# Altium PCB master.PcbDoc (part 6 of 10)
Units mm, origin at the board's own origin, x right, y up, seen from the top; angles counter-clockwise.
Board outline 160 x 120 mm, 6 copper layers (Top Signal, Top GND, Inner PWR, Inner Signal, Bottom GND, Bottom Signal), stack 1.601 mm thick; 526 components, 435 nets, 2167 pads, 1617 vias.
Unrouted connection lines stored in the file: 3.
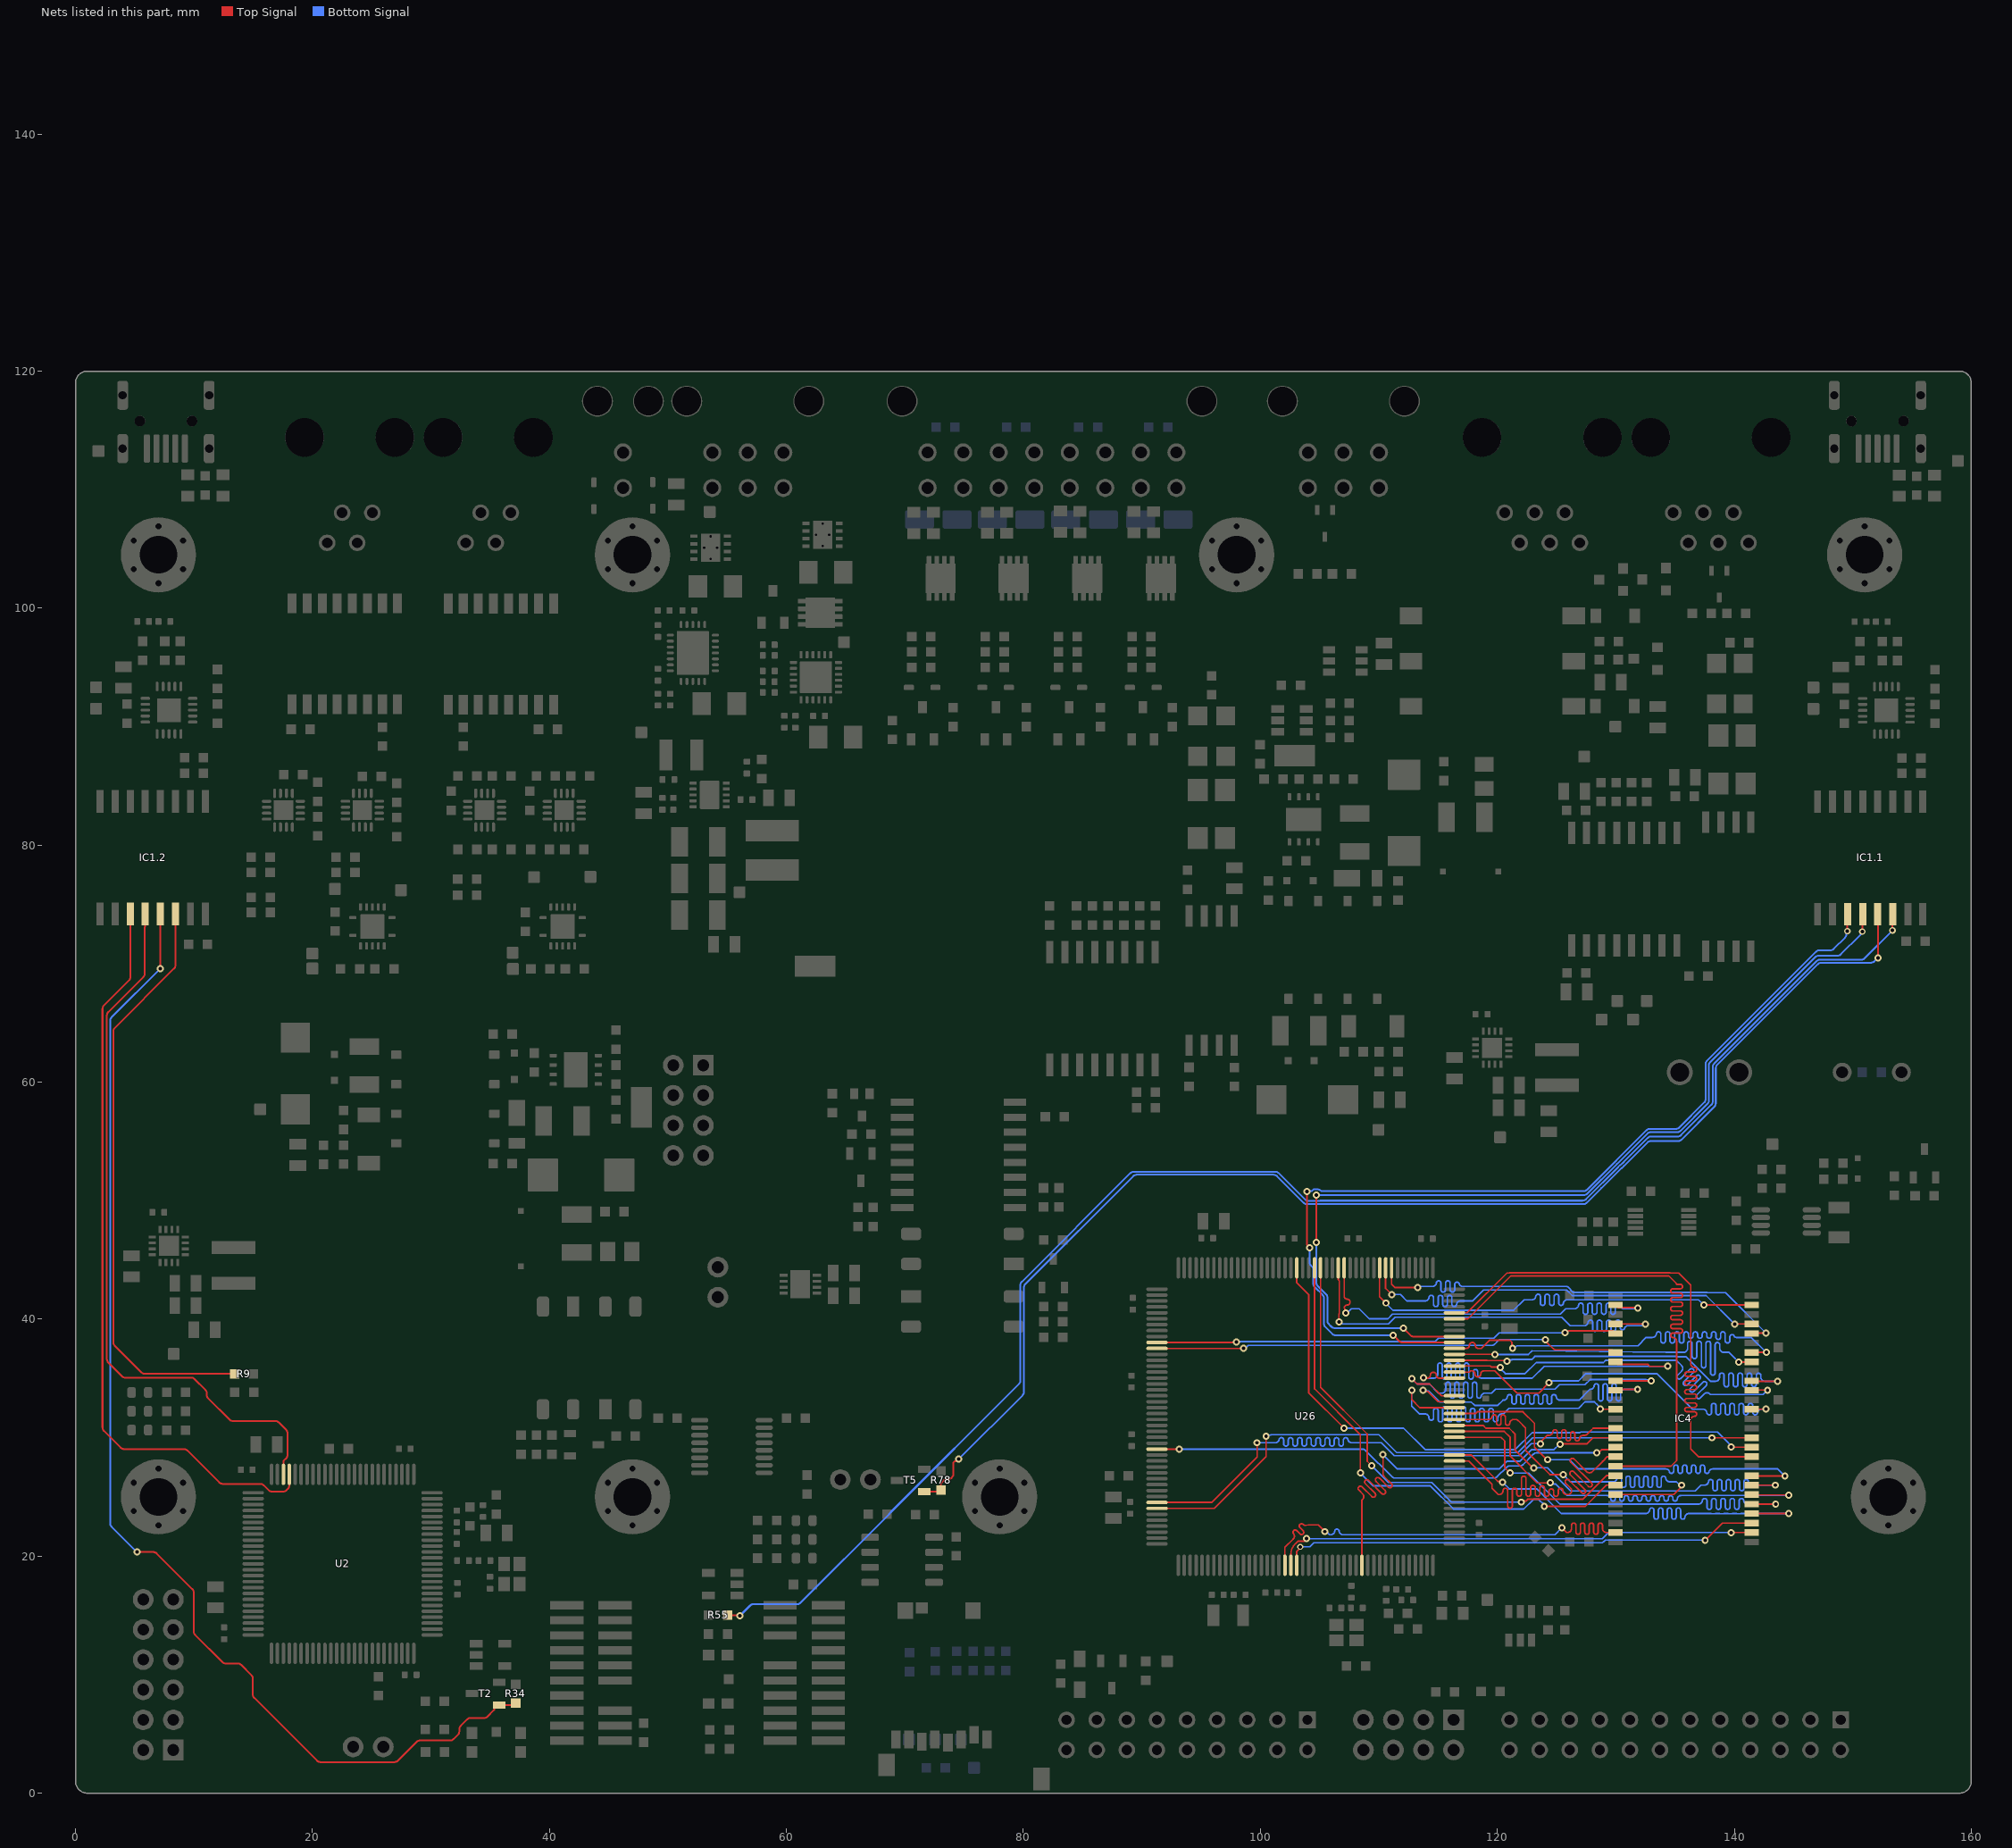
[diagram p10: the nets of this part, all layers, seen from the top]

## Via types
v1: diameter 0.6, hole 0.3, Top Signal to Bottom Signal, 1012 vias
v2: diameter 0.55, hole 0.3, Top Signal to Bottom Signal, 235 vias
v3: diameter 0.45, hole 0.2, Top Signal to Bottom Signal, 178 vias
v4: diameter 0.55, hole 0.3, Top Signal to Bottom Signal, tented both sides, 112 vias
v5: diameter 0.5, hole 0.2, Top Signal to Bottom Signal, 50 vias
v6: diameter 0.45, hole 0.2, Top Signal to Bottom Signal, tented top, 15 vias
v7: diameter 0.5, hole 0.3, Top Signal to Bottom Signal, tented both sides, 12 vias
v8: diameter 0.6, hole 0.3, Top Signal to Bottom Signal, tented both sides, 2 vias
v9: diameter 0.5, hole 0.3, Top Signal to Bottom Signal, 1 vias

## Nets (pads, with @x,y where several pads share a name; then routed paths per layer and width w, separated by ;. In a path a pad name is that pad's centre, name@x,y a point inside that pad or via, vN(x,y) a via of type N, cw(c..) or ccw(c..) an arc to the next point about the centre after c; other vN are vias at no path point) (continued)
FMC_MCU_0_RAM_A3: IC4.26 U26.19 | length 39
  Top Signal w0.134: U26.19@102.072,19.234 102.072,20.747 102.725,21.4 102.772,21.447 102.775,21.45 ccw(c102.538,21.687) 102.812,21.879 102.807,21.886 ; 102.806,21.887 cw(c102.939,22.019) 102.806,22.152 cw(c102.939,22.019) 103.071,22.152 103.341,21.881 ccw(c103.474,22.013) 103.606,21.881 ccw(c103.474,22.013) 103.606,22.146 103.335,22.416 cw(c103.467,22.548) 103.6,22.681 ccw(c103.813,22.939) 103.863,22.607 104.053,22.636 ; 104.053,22.636 cw(c104.104,22.305) 104.104,22.64 104.688,22.64 104.885,22.64 v1(105.45,22.075) ; v1(125.444,22.395) 125.843,21.996 125.856,21.996 125.923,21.996 ccw(c125.923,22.331) 126.258,22.331 126.258,22.607 cw(c126.445,22.607) 126.632,22.607 126.632,22.033 ccw(c126.819,22.033) 127.006,22.033 127.006,22.607 cw(c127.193,22.607) 127.38,22.607 127.38,22.033 ccw(c127.567,22.033) 127.754,22.033 127.754,22.607 cw(c127.941,22.607) 128.128,22.607 128.128,22.033 ccw(c128.315,22.033) 128.502,22.033 128.502,22.607 cw(c128.689,22.607) 128.876,22.607 128.876,22.331 ccw(c129.211,22.331) 129.211,21.996 129.903,21.996 IC4.26@129.966,21.996
  Bottom Signal w0.134: v1(105.45,22.075) 105.576,22.075 105.844,21.807 105.873,21.807 105.944,21.807 ccw(c105.944,22.142) 106.275,22.093 ; 106.275,22.094 cw(c106.462,22.094) 106.649,22.094 ccw(c106.981,22.142) 106.981,21.807 108.474,21.807 108.541,21.807 124.856,21.807 v1(125.444,22.395)
FMC_MCU_0_RAM_A4: IC4.29 U26.20 | length 40.9
  Top Signal w0.134: U26.20@102.573,19.234 102.573,20.166 cw(c103.799,20.166) 102.932,21.034 103.114,21.216 cw(c103.249,21.08) 103.249,21.272 103.695,21.272 ccw(c103.695,21.473) v1(103.897,21.473) ; v1(139.725,21.996) IC4.29@141.466,21.996
  Bottom Signal w0.134: v1(103.897,21.473) 128.864,21.473 129.386,21.996 v1(139.725,21.996)
FMC_MCU_0_RAM_A5: IC4.30 U26.21 | length 40.6
  Top Signal w0.134: U26.21@103.072,19.234 103.072,20.412 v9@103.452,20.792 ; v1(137.528,21.331) 138.993,22.796 IC4.30@141.466,22.796
  Bottom Signal w0.134: v9@103.452,20.792 104.176,20.792 104.524,21.14 128.88,21.14 128.959,21.219 128.969,21.219 129.113,21.363 137.496,21.363 v1(137.528,21.331)
  other v9: 103.363,20.792
FMC_MCU_0_RAM_A6: IC4.31 U26.60 | length 39.4
  Top Signal w0.134: U26.60@116.372,28.534 117.805,28.534 120.02,26.319 120.359,26.319 v1(120.451,26.228) ; IC4.31@141.466,23.596 v1(144.577,23.596)
  Bottom Signal w0.134: v1(120.451,26.228) 120.999,25.679 123.331,25.679 125.414,23.596 132.445,23.596 132.515,23.596 ccw(c132.515,23.931) 132.847,23.882 cw(c133.034,23.883) 133.221,23.883 133.221,23.309 ccw(c133.408,23.309) 133.595,23.309 133.595,23.883 cw(c133.782,23.883) 133.969,23.883 133.969,23.309 ccw(c134.156,23.309) 134.343,23.309 134.343,23.883 cw(c134.53,23.883) 134.717,23.883 134.717,23.309 ccw(c134.904,23.309) 135.091,23.309 135.091,23.883 cw(c135.278,23.883) 135.465,23.883 135.465,23.309 ccw(c135.652,23.309) 135.839,23.309 cw(c136.17,23.261) 136.172,23.596 136.733,23.596 138.027,23.596 138.034,23.589 138.388,23.589 138.395,23.596 138.747,23.596 138.754,23.589 139.108,23.589 139.115,23.596 139.467,23.596 139.474,23.589 139.828,23.589 139.835,23.596 140.187,23.596 140.194,23.589 140.548,23.589 140.555,23.596 140.907,23.596 140.914,23.589 141.268,23.589 141.275,23.596 v1(144.577,23.596)
FMC_MCU_0_RAM_A7: IC4.32 U26.63 | length 39.3
  Top Signal w0.134: U26.63@116.372,30.034 120.302,30.034 120.625,29.711 120.625,27.471 v1(121.079,27.017) ; IC4.32@141.466,24.396 v1(143.482,24.396)
  Bottom Signal w0.134: v1(121.079,27.017) 122.651,27.017 125.273,24.396 136.903,24.396 136.975,24.396 ccw(c136.975,24.731) 137.305,24.674 cw(c137.499,24.674) 137.693,24.674 137.693,24.142 ccw(c137.887,24.142) 138.081,24.142 138.081,24.674 cw(c138.275,24.674) 138.469,24.674 138.469,24.142 ccw(c138.663,24.142) 138.857,24.142 138.857,24.674 cw(c139.051,24.674) 139.245,24.674 139.245,24.142 ccw(c139.439,24.142) 139.633,24.142 139.633,24.674 cw(c139.827,24.674) 140.021,24.674 140.021,24.142 ccw(c140.215,24.142) 140.409,24.142 140.409,24.674 cw(c140.603,24.674) 140.797,24.674 ccw(c141.127,24.731) 141.127,24.396 141.508,24.396 141.575,24.396 v1(143.482,24.396)
FMC_MCU_0_RAM_A8: IC4.33 U26.64 | length 39.2
  Top Signal w0.134: U26.64@116.372,30.534 120.578,30.534 121.082,30.03 121.082,28.445 123.339,26.187 v1(124.475,26.187) ; IC4.33@141.466,25.196 141.499,25.163 v1(144.577,25.163)
  Bottom Signal w0.134: v1(124.475,26.187) 124.566,26.096 124.907,26.096 125.881,25.122 128.8,25.122 129.245,25.122 cw(c129.245,24.787) 129.576,24.837 ; 129.576,24.837 ccw(c129.763,24.837) 129.95,24.837 129.95,24.921 cw(c130.137,24.921) 130.324,24.921 130.324,24.837 ccw(c130.511,24.837) 130.698,24.837 130.698,24.921 cw(c130.885,24.921) 131.072,24.921 131.072,24.837 ccw(c131.259,24.837) 131.446,24.837 131.446,24.921 cw(c131.633,24.921) 131.82,24.921 131.82,24.837 ccw(c132.007,24.837) 132.194,24.837 132.194,24.921 cw(c132.381,24.921) 132.568,24.921 132.568,24.837 ccw(c132.755,24.837) 132.942,24.837 132.942,24.921 cw(c133.129,24.921) 133.316,24.921 133.316,24.837 ccw(c133.503,24.837) 133.69,24.837 133.69,24.921 cw(c133.877,24.921) 134.064,24.921 134.064,24.837 ccw(c134.251,24.837) 134.438,24.837 134.438,24.921 cw(c134.625,24.921) 134.812,24.921 134.812,24.837 ccw(c134.999,24.837) 135.186,24.837 cw(c135.517,24.787) 135.519,25.122 136.597,25.122 144.536,25.122 v1(144.577,25.163)
FMC_MCU_0_RAM_A9: IC4.34 U26.65 | length 39.2
  Top Signal w0.134: U26.65@116.372,31.034 118.784,31.034 119.022,30.796 121.005,30.796 121.5,30.301 121.5,28.932 122.974,27.457 v1(123.063,27.457) ; IC4.34@141.466,25.996 141.469,25.993 v1(143.465,25.993)
  Bottom Signal w0.134: v1(123.063,27.457) 124.211,27.457 126.169,25.5 136.698,25.5 137.191,25.993 137.419,25.993 137.489,25.993 ccw(c137.489,26.328) 137.82,26.279 cw(c138.008,26.28) 138.195,26.28 138.195,25.706 ccw(c138.382,25.706) 138.569,25.706 138.569,26.28 cw(c138.756,26.28) 138.943,26.28 138.943,25.706 ccw(c139.13,25.706) 139.317,25.706 139.317,26.28 cw(c139.504,26.28) 139.691,26.28 139.691,25.706 ccw(c139.878,25.706) 140.065,25.706 140.065,26.28 cw(c140.252,26.28) 140.439,26.28 140.439,25.706 ccw(c140.626,25.706) 140.813,25.706 140.813,26.28 cw(c141,26.28) 141.187,26.28 ccw(c141.518,26.328) 141.518,25.993 142.083,25.993 142.15,25.993 v1(143.465,25.993)
FMC_MCU_0_RAM_A10: IC4.22 U26.66 | length 39.5
  Top Signal w0.134: U26.66@116.372,31.534 118.135,31.534 119.151,31.534 119.243,31.534 ccw(c119.243,31.868) 119.553,31.743 cw(c119.74,31.743) 119.927,31.743 119.927,31.236 ccw(c120.114,31.236) 120.301,31.236 120.301,31.743 cw(c120.488,31.743) 120.675,31.743 120.675,31.236 ccw(c120.862,31.236) 121.049,31.236 cw(c121.381,31.199) 121.383,31.534 121.534,31.534 cw(c121.534,31.199) 121.771,31.435 121.844,31.363 122.377,30.829 122.377,28.944 123.71,27.611 124.255,27.066 124.433,26.889 v1(125.549,26.889) ; IC4.22@129.966,25.196 134.881,25.196 135.534,25.849 v1(135.534,25.994)
  Bottom Signal w0.134: v1(125.549,26.889) 126.158,26.279 129.7,26.279 129.77,26.279 ccw(c129.77,26.614) 130.102,26.566 ; 130.102,26.566 cw(c130.289,26.566) 130.476,26.566 130.476,25.992 ccw(c130.663,25.992) 130.85,25.992 130.85,26.566 cw(c131.037,26.566) 131.224,26.566 131.224,25.992 ccw(c131.411,25.992) 131.598,25.992 131.598,26.566 cw(c131.785,26.566) 131.972,26.566 131.972,25.992 ccw(c132.159,25.992) 132.346,25.992 132.346,26.566 cw(c132.533,26.566) 132.72,26.566 132.72,25.992 ccw(c132.907,25.992) 133.094,25.992 133.094,26.566 cw(c133.281,26.566) 133.468,26.566 133.468,25.992 ccw(c133.655,25.992) 133.842,25.992 133.842,26.566 cw(c134.029,26.566) 134.216,26.566 ccw(c134.548,26.614) 134.548,26.279 134.932,26.279 134.999,26.279 135.123,26.279 135.408,25.994 v1(135.534,25.994)
FMC_MCU_0_RAM_A11: IC4.35 U26.67 | length 38.9
  Top Signal w0.134: U26.67@116.372,32.034 118.156,32.034 118.306,32.184 122.161,32.184 123.135,31.21 123.135,29.189 124.18,28.143 v1(124.257,28.143) ; IC4.35@141.466,26.759 v1(144.272,26.759)
  Bottom Signal w0.134: v1(124.257,28.143) 126.07,28.143 126.853,27.361 133.732,27.361 134.207,27.361 cw(c134.207,27.026) 134.508,27.174 ccw(c134.695,27.174) 134.882,27.174 134.882,27.506 cw(c135.069,27.506) 135.256,27.506 135.256,27.174 ccw(c135.443,27.174) 135.63,27.174 135.63,27.506 cw(c135.817,27.506) 136.004,27.506 136.004,27.174 ccw(c136.191,27.174) 136.378,27.174 136.378,27.506 cw(c136.565,27.506) 136.752,27.506 136.752,27.174 ccw(c136.939,27.174) 137.126,27.174 137.126,27.506 cw(c137.313,27.506) 137.5,27.506 137.5,27.174 ccw(c137.687,27.174) 137.874,27.174 cw(c138.175,27.026) 138.176,27.361 139.336,27.361 143.67,27.361 v1(144.272,26.759)
FMC_MCU_0_RAM_BA0: IC4.20 U26.108 | length 41.3
  Top Signal w0.134: U26.108@105.072,44.334 105.072,34.249 109.017,30.305 109.017,28.007 v1(109.379,27.645) ; v1(122.022,24.562) 122.111,24.651 122.404,24.651 122.551,24.799 127.212,24.799 129.208,26.796 IC4.20@129.966,26.796
  Bottom Signal w0.134: v1(109.379,27.645) 110.796,26.228 114.458,26.228 116.123,24.562 v1(122.022,24.562)
FMC_MCU_0_RAM_BA1: IC4.21 U26.109 | length 43.1
  Top Signal w0.134: U26.109@104.573,44.334 104.573,34.119 108.437,30.255 v1(108.437,27.017) ; v1(123.96,24.198) 127.411,24.198 129.209,25.996 IC4.21@129.966,25.996
  Bottom Signal w0.134: v1(108.437,27.017) 109.526,25.928 114.347,25.928 116.299,23.975 122.224,23.975 123.049,24.8 123.484,24.8 123.96,24.324 v1(123.96,24.198)
FMC_MCU_0_RAM_D0: IC4.2 U26.104 | length 38.7
  Top Signal w0.134: U26.104@107.072,44.334 107.072,41.94 ccw(c107.322,41.94) 107.322,41.69 cw(c107.322,41.44) 107.322,41.19 ccw(c107.322,40.94) 107.072,40.94 107.133,40.88 107.133,40.626 v1(107.225,40.534) ; IC4.2@129.966,41.196 130.181,40.981 131.79,40.981 v1(131.851,40.919)
  Bottom Signal w0.134: v1(107.225,40.534) 107.333,40.534 107.68,40.881 108.343,40.881 109.193,40.031 110.756,40.031 111.157,40.432 125.326,40.432 125.775,40.881 126.314,40.881 126.449,40.881 126.521,40.881 ccw(c126.521,41.216) 126.851,41.16 cw(c127.045,41.161) 127.239,41.161 127.239,40.601 ccw(c127.433,40.601) 127.627,40.601 127.627,41.161 cw(c127.821,41.161) 128.015,41.161 128.015,40.601 ccw(c128.209,40.601) 128.403,40.601 128.403,41.161 cw(c128.597,41.161) 128.791,41.161 128.791,40.601 ccw(c128.985,40.601) 129.179,40.601 129.179,41.161 cw(c129.373,41.161) 129.567,41.161 129.567,40.601 ccw(c129.761,40.601) 129.955,40.601 129.955,41.161 cw(c130.149,41.161) 130.343,41.161 ccw(c130.674,41.216) 130.674,40.881 131.383,40.881 131.45,40.881 131.813,40.881 v1(131.851,40.919)
FMC_MCU_0_RAM_D1: IC4.4 U26.105 | length 39.5
  Top Signal w0.134: U26.105@106.573,44.334 106.573,43.329 106.667,43.235 106.667,40.467 106.63,40.43 v1(106.63,39.768) ; IC4.4@129.966,39.596 v1(132.512,39.596)
  Bottom Signal w0.134: v1(106.63,39.768) 106.76,39.768 106.932,39.596 110.796,39.596 111.364,40.164 125.415,40.164 126.132,39.447 126.975,39.447 127.254,39.447 127.326,39.447 ccw(c127.326,39.782) 127.656,39.726 ; 127.656,39.727 cw(c127.85,39.727) 128.044,39.727 128.044,39.167 ccw(c128.238,39.167) 128.432,39.167 128.432,39.727 cw(c128.626,39.727) 128.82,39.727 128.82,39.167 ccw(c129.014,39.167) 129.208,39.167 129.208,39.727 cw(c129.402,39.727) 129.596,39.727 129.596,39.167 ccw(c129.79,39.167) 129.984,39.167 129.984,39.727 cw(c130.178,39.727) 130.372,39.727 130.372,39.299 ccw(c130.566,39.299) 130.76,39.299 cw(c131.038,39.112) 131.039,39.447 131.633,39.447 131.691,39.447 132.233,39.447 132.382,39.596 v1(132.512,39.596)
FMC_MCU_0_RAM_D2: IC4.5 U26.142 | length 39.2
  Top Signal w0.134: U26.142@91.273,38.034 97.972,38.034 v1(97.993,38.055) ; v1(125.712,38.847) 125.842,38.847 126.005,39.011 129.751,39.011 IC4.5@129.966,38.796
  Bottom Signal w0.134: v1(97.993,38.055) 98.038,38.1 114.738,38.1 115.038,38.4 119.717,38.4 120.164,38.847 v1(125.712,38.847)
FMC_MCU_0_RAM_D3: IC4.7 U26.143 | length 39.5
  Top Signal w0.134: U26.143@91.273,37.534 ccw(c91.298,37.868) 91.298,37.533 v1(98.582,37.533) ; v1(124.05,38.275) 124.05,38.171 124.713,37.508 ccw(c124.95,37.746) 124.95,37.411 129.613,37.411 cw(c129.612,37.076) 129.85,37.312 IC4.7@129.966,37.196
  Bottom Signal w0.134: v1(98.582,37.533) 98.708,37.533 98.964,37.789 119.525,37.789 ccw(c119.525,38.124) 119.762,37.887 120.051,38.176 cw(c120.289,37.94) 120.289,38.275 v1(124.05,38.275)
FMC_MCU_0_RAM_D4: IC4.13 U26.68 | length 39.3
  Top Signal w0.134: v1(112.774,33.996) 112.774,33.215 113.456,32.534 U26.68@116.372,32.534 ; v1(128.676,32.402) 129.96,32.402 IC4.13@129.966,32.396
  Bottom Signal w0.134: v1(112.774,33.996) 112.774,32.675 113.449,32 113.893,32 cw(c113.893,31.665) 114.228,31.665 ccw(c114.422,31.665) 114.616,31.665 114.616,32.284 cw(c114.81,32.284) 115.004,32.284 115.004,31.531 ccw(c115.198,31.531) 115.392,31.531 115.392,32.441 cw(c115.586,32.441) 115.78,32.441 115.78,31.531 ccw(c115.974,31.531) 116.168,31.531 116.168,32.441 cw(c116.362,32.441) 116.556,32.441 116.556,31.531 ccw(c116.75,31.531) 116.944,31.531 116.944,32.441 cw(c117.138,32.441) 117.332,32.441 117.332,31.531 ccw(c117.526,31.531) 117.72,31.531 117.72,32.277 cw(c117.914,32.277) 118.108,32.277 118.108,31.531 ccw(c118.302,31.531) 118.496,31.531 118.496,32.277 cw(c118.69,32.277) 118.884,32.277 118.884,31.531 ccw(c119.078,31.531) 119.272,31.531 119.272,32.277 cw(c119.466,32.277) 119.66,32.277 119.66,31.531 ccw(c119.854,31.531) 120.048,31.531 120.048,31.665 cw(c120.383,31.665) 120.383,32 120.45,32 ; 120.5,32 120.975,32.475 126.85,32.475 127.4,33.025 128.192,33.025 128.443,32.774 128.443,32.761 128.676,32.528 v1(128.676,32.402)
FMC_MCU_0_RAM_D5: IC4.11 U26.69 | length 38.6
  Top Signal w0.134: v1(113.716,33.996) 113.808,33.904 114.119,33.904 114.989,33.034 U26.69@116.372,33.034 ; IC4.11@129.966,33.996 130.049,34.078 v1(131.836,34.078)
  Bottom Signal w0.134: v1(113.716,33.996) 113.777,33.934 114.216,33.934 115.15,33 117.8,33 118.075,32.725 120.044,32.725 120.451,33.132 120.483,33.164 120.521,33.164 ccw(c120.521,33.498) 120.852,33.45 cw(c121.039,33.451) 121.225,33.451 121.225,33.016 ccw(c121.412,33.016) 121.599,33.016 121.599,33.451 cw(c121.786,33.451) 121.973,33.451 121.973,33.016 ccw(c122.16,33.016) 122.347,33.016 122.347,33.451 cw(c122.533,33.451) 122.72,33.451 122.72,33.016 ccw(c122.907,33.016) 123.094,33.016 123.094,33.451 cw(c123.281,33.451) 123.468,33.451 123.468,33.016 ccw(c123.655,33.016) 123.841,33.016 123.841,33.451 cw(c124.028,33.451) 124.215,33.451 124.215,33.016 ccw(c124.402,33.016) 124.589,33.016 124.589,33.451 cw(c124.776,33.451) 124.962,33.451 ccw(c125.293,33.498) 125.293,33.164 125.973,33.164 126.04,33.164 126.889,33.164 127.766,34.041 127.803,34.078 127.837,34.078 ccw(c127.837,34.413) 128.167,34.362 ; 128.167,34.362 cw(c128.354,34.362) 128.541,34.362 128.541,33.283 ccw(c128.728,33.283) 128.915,33.283 128.915,34.362 cw(c129.102,34.362) 129.288,34.362 129.288,33.283 ccw(c129.475,33.283) 129.662,33.283 129.662,34.362 cw(c129.849,34.362) 130.036,34.362 130.036,33.283 ccw(c130.223,33.283) 130.41,33.283 130.41,33.744 cw(c130.744,33.744) 130.744,34.078 131.371,34.078 v1(131.836,34.078)
FMC_MCU_0_RAM_D6: IC4.10 U26.70 | length 37.7
  Top Signal w0.134: v1(112.774,34.989) 113.232,34.531 114.294,34.531 115.295,33.53 U26.70@116.372,33.53 ; IC4.10@129.966,34.796 132.969,34.796 v1(132.976,34.789)
  Bottom Signal w0.134: v1(112.774,34.989) 113.232,34.531 114.269,34.531 115.043,33.757 115.246,33.757 115.313,33.757 ccw(c115.313,34.091) 115.647,34.091 115.647,34.5 cw(c115.834,34.5) 116.021,34.5 116.021,33.524 ccw(c116.208,33.524) 116.395,33.524 116.395,34.5 cw(c116.582,34.5) 116.768,34.5 116.768,33.524 ccw(c116.955,33.524) 117.142,33.524 117.142,34.5 cw(c117.329,34.5) 117.516,34.5 117.516,33.524 ccw(c117.703,33.524) 117.889,33.524 117.889,34.5 cw(c118.076,34.5) 118.263,34.5 118.263,33.524 ccw(c118.45,33.524) 118.637,33.524 cw(c118.955,33.422) 118.957,33.757 119.511,33.757 119.845,34.091 124.852,34.091 125.232,34.471 127.397,34.471 127.826,34.9 132.547,34.9 132.569,34.878 132.887,34.878 v1(132.976,34.789)
FMC_MCU_0_RAM_D7: IC4.8 U26.73 | length 39.5
  Top Signal w0.134: v1(113.756,35.071) 114.044,35.071 114.097,35.018 ccw(c114.097,35.268) 114.347,35.268 cw(c114.597,35.268) 114.847,35.268 ccw(c115.097,35.268) 115.097,35.018 116.357,35.018 U26.73@116.372,35.034 ; IC4.8@129.966,36.396 130.181,36.181 132.718,36.181 132.874,36.024 v1(134.365,36.024)
  Bottom Signal w0.134: v1(113.756,35.071) 113.808,35.018 113.825,35.018 114.639,35.018 ccw(c114.639,35.352) 114.974,35.352 114.974,36.113 cw(c115.16,36.113) 115.347,36.113 115.347,35.125 ccw(c115.534,35.125) 115.721,35.125 115.721,36.113 cw(c115.908,36.113) 116.095,36.113 116.095,35.125 ccw(c116.282,35.125) 116.468,35.125 116.468,36.113 cw(c116.655,36.113) 116.842,36.113 116.842,35.125 ccw(c117.029,35.125) 117.216,35.125 117.216,36.113 cw(c117.403,36.113) 117.589,36.113 117.589,35.125 ccw(c117.776,35.125) 117.963,35.125 117.963,35.569 cw(c118.15,35.569) 118.337,35.569 118.337,35.352 ccw(c118.671,35.352) 118.671,35.018 119.407,35.018 122.947,35.018 123.954,36.024 v1(134.365,36.024) v1@134.305,36.085
FMC_MCU_0_RAM_D8: IC4.42 U26.74 | length 39.5
  Top Signal w0.134: U26.74@116.372,35.534 117.628,35.534 117.729,35.634 117.856,35.634 cw(c117.856,35.384) 118.106,35.384 ccw(c118.356,35.384) 118.606,35.384 cw(c118.856,35.384) 118.856,35.634 119.785,35.634 121.663,33.757 123.498,33.757 124.35,34.609 v1(124.35,34.65) ; IC4.42@141.466,32.396 141.473,32.402 v1(142.672,32.402)
  Bottom Signal w0.134: v1(124.35,34.65) 124.35,34.546 124.599,34.796 126.853,34.796 127.457,35.4 133.467,35.4 136.465,32.402 136.804,32.402 137.349,32.402 cw(c137.349,32.067) 137.679,32.121 ccw(c137.873,32.12) 138.067,32.12 138.067,32.698 cw(c138.261,32.698) 138.455,32.698 138.455,32.12 ccw(c138.649,32.12) 138.843,32.12 138.843,32.698 cw(c139.037,32.698) 139.231,32.698 139.231,32.12 ccw(c139.425,32.12) 139.619,32.12 139.619,32.698 cw(c139.813,32.698) 140.007,32.698 140.007,32.12 ccw(c140.201,32.12) 140.395,32.12 140.395,32.698 cw(c140.589,32.698) 140.783,32.698 140.783,32.12 ccw(c140.977,32.12) 141.171,32.12 141.171,32.698 cw(c141.365,32.698) 141.559,32.698 141.559,32.12 ccw(c141.753,32.12) 141.947,32.12 cw(c142.278,32.067) 142.279,32.402 142.349,32.402 v1(142.672,32.402)
FMC_MCU_0_RAM_D9: IC4.44 U26.75 | length 39.4
  Top Signal w0.134: U26.75@116.372,36.034 116.398,36.059 119.386,36.059 119.487,35.958 120.218,35.958 v1(120.244,35.933) ; IC4.44@141.466,33.996 141.492,34.021 142.777,34.021 v1(142.803,33.996)
  Bottom Signal w0.134: v1(120.244,35.933) 120.244,35.829 120.673,35.4 122.34,35.4 123.28,36.341 128.956,36.341 129.133,36.518 134.923,36.518 135.113,36.518 135.546,36.086 cw(c135.309,35.849) 135.546,35.612 135.212,35.278 ccw(c135.349,35.141) 135.486,35.004 136.255,35.772 cw(c136.392,35.635) 136.53,35.772 cw(c136.392,35.635) 136.53,35.498 135.753,34.722 ccw(c135.891,34.585) 135.753,34.447 ccw(c135.891,34.585) 136.028,34.447 136.804,35.224 cw(c136.941,35.086) 137.078,35.224 cw(c136.941,35.086) 137.078,34.949 136.302,34.173 ccw(c136.439,34.036) 136.302,33.899 ccw(c136.439,34.036) 136.576,33.899 137.353,34.675 cw(c137.49,34.538) 137.627,34.401 136.851,33.624 ccw(c136.988,33.487) 136.851,33.35 ccw(c136.988,33.487) 137.125,33.35 137.467,33.691 cw(c137.703,33.454) 137.94,33.691 137.982,33.65 137.994,33.65 142.441,33.65 142.787,33.996 v1(142.803,33.996)
FMC_MCU_0_RAM_D10: IC4.45 U26.76 | length 39.3
  Top Signal w0.134: U26.76@116.372,36.534 119.102,36.534 119.13,36.506 v1@120.821,36.506 ; IC4.45@141.466,34.796 141.498,34.764 v1(143.642,34.764)
  Bottom Signal w0.134: v1(120.821,36.464) 120.913,36.556 121.199,36.556 121.237,36.595 122.89,36.595 123.156,36.86 135.111,36.86 135.136,36.835 135.915,36.835 137.986,34.764 138.347,34.764 138.414,34.764 ccw(c138.414,35.099) 138.749,35.099 138.749,35.257 cw(c138.943,35.257) 139.137,35.257 139.137,34.484 ccw(c139.331,34.484) 139.525,34.484 139.525,35.257 cw(c139.719,35.257) 139.913,35.257 139.913,34.484 ccw(c140.107,34.484) 140.301,34.484 140.301,35.257 cw(c140.495,35.257) 140.689,35.257 140.689,34.484 ccw(c140.883,34.484) 141.077,34.484 141.077,35.257 cw(c141.271,35.257) 141.465,35.257 141.465,34.484 ccw(c141.659,34.484) 141.853,34.484 141.853,35.24 cw(c142.047,35.24) 142.241,35.24 142.241,35.099 ccw(c142.576,35.099) 142.576,34.764 143.632,34.764 v1(143.642,34.764)
FMC_MCU_0_RAM_D11: IC4.47 U26.77 | length 38.9
  Top Signal w0.134: U26.77@116.372,37.034 119.78,37.034 v1(119.78,37.025) ; v1(140.371,36.375) 141.426,36.375 IC4.47@141.447,36.396
  Bottom Signal w0.134: v1(119.78,37.025) 122.623,37.025 122.93,37.333 134.236,37.206 134.509,37.206 134.516,37.199 135.652,37.199 135.719,37.199 ccw(c135.719,37.534) 136.054,37.534 136.054,37.936 cw(c136.248,37.936) 136.442,37.936 136.442,36.862 ccw(c136.636,36.862) 136.83,36.862 136.83,37.945 cw(c137.024,37.945) 137.218,37.945 137.218,36.086 ccw(c137.412,36.086) 137.606,36.086 137.606,37.943 cw(c137.8,37.943) 137.994,37.943 137.994,35.469 ccw(c138.188,35.469) 138.382,35.469 138.382,37.838 cw(c138.576,37.838) 138.77,37.838 138.77,37.534 ccw(c139.105,37.534) 139.105,37.199 139.547,37.199 139.85,36.895 v1(140.371,36.375)
FMC_MCU_0_RAM_D12: IC4.48 U26.78 | length 39.5
  Top Signal w0.134: U26.78@116.372,37.534 117.388,37.534 ccw(c117.388,37.784) 117.638,37.784 cw(c117.888,37.784) 118.138,37.784 ccw(c118.388,37.784) 118.388,37.534 118.661,37.534 119.355,38.227 121.04,38.227 121.234,38.033 121.234,37.584 v1(121.285,37.533) ; IC4.48@141.466,37.196 141.473,37.203 v1(142.697,37.203)
  Bottom Signal w0.134: v1(121.285,37.533) 121.415,37.533 121.639,37.757 131.866,37.757 132.568,38.459 133.009,38.459 133.081,38.459 ccw(c133.081,38.794) 133.411,38.738 ; 133.411,38.739 cw(c133.605,38.739) 133.799,38.739 133.799,38.179 ccw(c133.993,38.179) 134.187,38.179 134.187,38.739 cw(c134.381,38.739) 134.575,38.739 134.575,38.179 ccw(c134.769,38.179) 134.963,38.179 134.963,38.739 cw(c135.157,38.739) 135.351,38.739 135.351,38.179 ccw(c135.545,38.179) 135.739,38.179 135.739,38.739 cw(c135.933,38.739) 136.127,38.739 136.127,38.578 ccw(c136.321,38.578) 136.515,38.578 136.515,38.739 cw(c136.709,38.739) 136.903,38.739 136.903,38.587 ccw(c137.097,38.587) 137.291,38.587 137.291,38.739 cw(c137.485,38.739) 137.679,38.739 137.679,38.585 ccw(c137.873,38.585) 138.067,38.585 138.067,38.739 cw(c138.261,38.739) 138.455,38.739 138.455,38.48 ccw(c138.649,38.48) 138.843,38.48 138.843,38.739 cw(c139.037,38.739) 139.231,38.739 139.231,38.179 ccw(c139.425,38.179) 139.619,38.179 139.619,38.503 cw(c139.813,38.503) 140.007,38.503 ccw(c140.173,38.794) 140.173,38.459 140.699,38.459 140.766,38.459 141.423,38.459 142.679,37.203 v1(142.697,37.203)
FMC_MCU_0_RAM_D13: IC4.50 U26.96 | length 39.4
  Top Signal w0.134: U26.96@111.073,44.334 111.073,42.943 111.337,42.679 v1(113.282,42.679) ; IC4.50@141.466,38.796 141.499,38.828 v1(142.672,38.828)
  Bottom Signal w0.134: v1(113.282,42.679) 113.364,42.761 114.45,42.761 114.522,42.761 ccw(c114.522,43.096) 114.852,43.04 cw(c115.046,43.041) 115.24,43.041 115.24,42.481 ccw(c115.434,42.481) 115.628,42.481 115.628,43.041 cw(c115.822,43.041) 116.016,43.041 116.016,42.481 ccw(c116.21,42.481) 116.404,42.481 116.404,42.93 cw(c116.598,42.93) 116.792,42.93 ccw(c117.083,43.096) 117.083,42.761 117.636,42.761 117.703,42.761 125.888,42.761 125.928,42.721 125.947,42.721 126.42,42.249 137.724,42.249 137.738,42.235 139.265,42.235 v1(142.672,38.828)
FMC_MCU_0_RAM_D14: IC4.51 U26.97 | length 39.1
  Top Signal w0.134: U26.97@110.572,44.334 110.572,42.597 111.092,42.078 v1(111.103,42.078) ; v1(140.017,39.596) IC4.51@141.466,39.596
  Bottom Signal w0.134: v1(111.103,42.078) 111.827,42.078 112.371,41.534 113.825,41.534 113.897,41.534 ccw(c113.897,41.869) 114.227,41.813 ; 114.227,41.814 cw(c114.421,41.814) 114.615,41.814 114.615,41.254 ccw(c114.809,41.254) 115.003,41.254 115.003,41.814 cw(c115.197,41.814) 115.391,41.814 115.391,41.254 ccw(c115.585,41.254) 115.779,41.254 115.779,41.814 cw(c115.973,41.814) 116.167,41.814 116.167,41.254 ccw(c116.361,41.254) 116.555,41.254 cw(c116.885,41.199) 116.887,41.534 117.4,41.534 117.895,41.534 118.828,42.467 125.842,42.467 126.314,41.995 137.618,41.995 v1(140.017,39.596)
FMC_MCU_0_RAM_D15: IC4.53 U26.98 | length 39.3
  Top Signal w0.134: U26.98@110.073,44.334 110.055,44.317 110.055,41.886 110.573,41.368 v1(110.589,41.368) ; v1(137.419,41.213) 137.435,41.196 IC4.53@141.466,41.196 IC4.53@141.466,41.196
  Bottom Signal w0.134: v1(110.589,41.368) 110.589,41.352 111.192,40.75 121.375,40.75 122.257,41.632 122.377,41.632 122.913,41.632 ccw(c122.913,41.967) 123.243,41.911 cw(c123.437,41.912) 123.631,41.912 123.631,41.352 ccw(c123.825,41.352) 124.019,41.352 124.019,41.912 cw(c124.213,41.912) 124.407,41.912 124.407,41.352 ccw(c124.601,41.352) 124.795,41.352 124.795,41.912 cw(c124.989,41.912) 125.183,41.912 125.183,41.352 ccw(c125.377,41.352) 125.571,41.352 cw(c125.902,41.297) 125.903,41.632 125.973,41.632 136.983,41.632 137.402,41.213 v1(137.419,41.213)
FMC_MCU_0_RAM_NBL0: IC4.15 U26.169 | length 54.7
  Top Signal w0.134: U26.169@91.273,24.534 95.879,24.534 99.72,28.375 v1(99.72,29.573) ; v1(123.65,29.495) 123.742,29.587 123.742,29.73 124.213,30.201 124.278,30.201 124.349,30.201 ccw(c124.349,30.536) 124.68,30.488 ; 124.68,30.488 cw(c124.867,30.488) 125.054,30.488 125.054,30.12 ccw(c125.241,30.12) 125.428,30.12 125.428,30.488 cw(c125.615,30.488) 125.802,30.488 125.802,29.914 ccw(c125.989,29.914) 126.176,29.914 126.176,30.312 cw(c126.363,30.312) 126.55,30.312 126.55,29.914 ccw(c126.737,29.914) 126.924,29.914 cw(c127.256,29.866) 127.257,30.201 127.355,30.201 ccw(c127.355,30.536) 127.592,30.3 127.846,30.554 128.088,30.796 IC4.15@129.966,30.796
  Bottom Signal w0.134: v1(99.72,29.573) 101.175,29.573 101.258,29.573 ccw(c101.258,29.908) 101.577,29.807 cw(c101.771,29.807) 101.965,29.807 101.965,29.483 ccw(c102.159,29.483) 102.353,29.483 102.353,29.807 cw(c102.547,29.807) 102.741,29.807 102.741,29.483 ccw(c102.935,29.483) 103.129,29.483 103.129,29.807 cw(c103.323,29.807) 103.517,29.807 103.517,29.483 ccw(c103.711,29.483) 103.905,29.483 103.905,29.807 cw(c104.099,29.807) 104.293,29.807 104.293,29.483 ccw(c104.487,29.483) 104.681,29.483 104.681,29.807 cw(c104.875,29.807) 105.069,29.807 105.069,29.483 ccw(c105.263,29.483) 105.457,29.483 105.457,29.807 cw(c105.651,29.807) 105.845,29.807 105.845,29.483 ccw(c106.039,29.483) 106.233,29.483 106.233,29.807 cw(c106.427,29.807) 106.621,29.807 106.621,29.483 ccw(c106.815,29.483) 107.009,29.483 107.009,29.807 cw(c107.203,29.807) 107.397,29.807 ccw(c107.716,29.908) 107.716,29.573 110.058,29.573 110.125,29.573 110.218,29.573 111.303,28.487 121.847,28.487 122.855,29.495 v1(123.65,29.495)
FMC_MCU_0_RAM_NBL1: IC4.39 U26.170 | length 54.9
  Top Signal w0.134: U26.170@91.273,24.034 96.1,24.034 100.482,28.417 v1(100.482,30.124) ; v1(138.125,29.989) 141.46,29.989 IC4.39@141.466,29.996
  Bottom Signal w0.134: v1(100.482,30.124) 100.572,30.214 100.87,30.214 100.912,30.255 109.995,30.255 111.509,28.741 121.742,28.741 122.99,29.989 v1(138.125,29.989)
FMC_MCU_0_RAM_SDCKE1: IC4.37 U26.84 | length 50
  Top Signal w0.134: U26.84@116.372,40.534 117.449,40.534 120.815,43.9 121.022,43.9 121.026,43.904 134.573,43.904 134.577,43.9 135.304,43.9 136.322,42.882 136.322,36.325 136.322,36.258 ccw(c136.657,36.257) 136.638,35.923 cw(c136.638,35.736) 136.638,35.549 136.006,35.549 ccw(c136.006,35.362) 136.006,35.175 136.638,35.175 cw(c136.638,34.988) 136.638,34.801 136.006,34.801 ccw(c136.006,34.614) 136.006,34.427 136.638,34.427 cw(c136.638,34.24) 136.638,34.053 136.006,34.053 ccw(c136.006,33.866) 136.006,33.679 136.638,33.679 cw(c136.638,33.492) 136.638,33.305 136.006,33.305 ccw(c136.006,33.118) 136.006,32.931 136.638,32.931 cw(c136.638,32.744) 136.638,32.557 136.006,32.557 ccw(c136.006,32.37) 136.006,32.183 136.638,32.183 cw(c136.638,31.996) 136.638,31.809 ccw(c136.657,31.475) 136.322,31.475 136.322,30.925 136.322,29.041 136.967,28.396 IC4.37@141.466,28.396
FMC_MCU_0_RAM_SDCLK: IC4.38 U26.112 | length 51.6
  Top Signal w0.134: U26.112@103.072,44.334 103.072,43.078 104.072,42.078 104.072,33.796 v1(107.072,30.796) ; v1(139.725,29.202) 141.46,29.202 IC4.38@141.466,29.196
  Bottom Signal w0.134: v1(107.072,30.796) 112.092,30.796 113.892,28.995 121.512,28.995 122.94,30.424 126.974,30.424 127.033,30.483 138.592,30.483 139.496,29.579 139.496,29.557 139.725,29.328 v1(139.725,29.202)
FMC_MCU_0_RAM_SDNCAS: IC4.17 U26.160 | length 40.7
  Top Signal w0.134: U26.160@91.273,29.034 ccw(c91.366,29.355) 91.366,29.02 v1(93.142,29.02) ; v1(128.394,28.719) 128.524,28.719 128.786,28.981 129.613,28.981 ccw(c129.612,29.316) 129.849,29.078 IC4.17@129.966,29.196
  Bottom Signal w0.134: v1(93.142,29.02) 93.157,29.035 108.626,29.035 cw(c108.626,28.7) 108.863,28.937 111.105,26.695 ccw(c111.341,26.933) 111.341,26.598 119.738,26.598 ccw(c119.738,26.933) 119.975,26.696 120.794,27.514 cw(c121.03,27.277) 121.03,27.612 121.924,27.612 ccw(c121.924,27.947) 122.161,27.711 123.071,28.621 cw(c123.308,28.384) 123.308,28.719 v1(128.394,28.719)
FMC_MCU_0_RAM_SDNE1: IC4.19 U26.83 | length 50.8
  Top Signal w0.134: U26.83@116.372,40.034 117.515,40.034 121.131,43.65 134.468,43.65 135.018,43.1 135.085,43.033 135.088,43.03 cw(c134.813,42.838) 135.132,42.94 135.316,42.939 135.448,42.939 cw(c135.448,42.752) 135.448,42.565 134.816,42.565 ccw(c134.816,42.378) 134.816,42.191 135.448,42.191 cw(c135.448,42.004) 135.448,41.817 134.816,41.817 ccw(c134.816,41.63) 134.816,41.443 135.448,41.443 cw(c135.448,41.256) 135.448,41.069 134.816,41.069 ccw(c134.816,40.882) 134.816,40.695 135.448,40.695 cw(c135.448,40.508) 135.448,40.321 134.816,40.321 ccw(c134.816,40.134) 134.816,39.947 135.448,39.947 cw(c135.448,39.76) 135.448,39.573 134.816,39.573 ccw(c134.816,39.386) 134.816,39.199 135.448,39.199 cw(c135.448,39.012) 135.448,38.825 134.816,38.825 ccw(c134.816,38.638) 134.816,38.451 ; IC4.19@129.966,27.596 134.656,27.596 135.132,28.072 135.132,37.411 135.132,38.117 ccw(c134.797,38.117) 134.816,38.451
FMC_MCU_0_RAM_SDNRAS: IC4.18 U26.59 | length 38.9
  Top Signal w0.134: U26.59@116.372,28.034 117.591,28.034 119.556,26.068 119.556,25.721 120.081,25.196 120.148,25.196 ccw(c120.148,25.531) 120.483,25.531 120.483,25.54 cw(c120.677,25.54) 120.871,25.54 120.871,24.242 ccw(c121.065,24.242) 121.259,24.242 121.259,25.54 cw(c121.453,25.54) 121.647,25.54 121.647,25.25 ccw(c121.841,25.25) 122.035,25.25 122.035,26.55 cw(c122.229,26.55) 122.423,26.55 122.423,25.247 ccw(c122.617,25.247) 122.811,25.247 122.811,25.781 cw(c123.005,25.781) 123.199,25.781 123.199,25.247 ccw(c123.393,25.247) 123.587,25.247 123.587,25.739 cw(c123.781,25.739) 123.975,25.739 123.975,25.247 ccw(c124.169,25.247) 124.363,25.247 124.363,25.484 cw(c124.557,25.484) 124.751,25.484 124.751,25.247 ccw(c124.945,25.247) 125.139,25.247 125.139,25.531 cw(c125.333,25.531) 125.527,25.531 ccw(c125.862,25.531) 125.862,25.196 126.075,25.196 126.118,25.239 126.166,25.286 ccw(c125.929,25.523) 126.166,25.76 125.779,26.146 cw(c125.917,26.283) 125.779,26.42 cw(c125.917,26.283) 126.054,26.42 127.127,25.347 ccw(c127.264,25.485) 127.401,25.622 126.18,26.842 cw(c126.318,26.98) 126.18,27.117 cw(c126.318,26.98) 126.455,27.117 127.675,25.896 ccw(c127.813,26.033) 127.95,25.896 ccw(c127.813,26.033) 127.95,26.171 126.199,27.921 cw(c126.336,28.058) 126.199,28.196 cw(c126.336,28.058) 126.473,28.196 127.537,27.132 ccw(c127.774,27.369) 128.011,27.132 128.885,28.005 129.275,28.396 IC4.18@129.966,28.396
FMC_MCU_0_RAM_SDNWE: IC4.16 U26.32 | length 40.2
  Top Signal w0.134: U26.32@108.573,19.234 108.573,24.727 108.579,24.734 108.627,24.782 ccw(c108.39,25.019) 108.627,25.256 108.307,25.576 cw(c108.444,25.713) 108.307,25.85 cw(c108.444,25.713) 108.581,25.85 109.4,25.031 ccw(c109.537,25.168) 109.675,25.305 108.855,26.125 cw(c108.992,26.262) 108.855,26.399 cw(c108.992,26.262) 109.13,26.399 110.244,25.285 ccw(c110.381,25.422) 110.518,25.285 ccw(c110.381,25.422) 110.518,25.559 109.77,26.307 cw(c109.907,26.444) 109.77,26.582 cw(c109.907,26.444) 110.044,26.582 110.793,25.833 ccw(c110.93,25.97) 111.067,25.833 ccw(c110.93,25.97) 111.067,26.108 110.447,26.727 cw(c110.684,26.964) 110.349,26.964 110.349,27.969 v1(110.349,28.57) ; v1(125.298,29.439) 125.33,29.471 127.546,29.471 128.071,29.996 IC4.16@129.966,29.996
  Bottom Signal w0.134: v1@110.349,28.567 110.353,28.567 111.558,27.361 120.167,27.361 120.821,28.015 121.915,28.015 122.881,28.981 124.764,28.981 125.221,29.439 v1(125.298,29.439)
FTDI_MCU_0_DTR: IC1.1.13 R78.1 T5.1 | length 113.2
  Top Signal w0.152: T5.1@71.647,25.44 72.872,25.44 72.98,25.534 ccw(c72.729,25.821) 72.999,25.551 R78.1@73.037,25.59 73.037,26.148 73.262,26.373 cw(c73.531,26.104) 73.531,26.485 73.645,26.485 ccw(c73.645,26.866) 73.914,26.596 73.986,26.668 ccw(c73.717,26.938) 74.098,26.938 74.098,27.91 74.187,28 74.344,28 v1(74.528,28.184) ; v1(152.113,70.485) IC1.1.13@152.113,74.49
  Bottom Signal w0.152: v1(74.528,28.184) 79.928,33.584 ccw(c79.659,33.853) 80.04,33.853 80.04,42.682 cw(c80.421,42.682) 80.152,42.952 89.276,52.076 cw(c89.546,51.807) 89.546,52.188 101.121,52.188 cw(c101.121,51.807) 101.392,52.074 103.64,49.827 ccw(c103.909,50.096) 103.909,49.715 127.272,49.715 ccw(c127.272,50.096) 127.541,49.827 128.785,51.07 130.447,52.716 cw(c130.715,52.445) 130.465,52.733 ccw(c125.63,58.306) 130.843,53.085 132.667,54.909 cw(c132.936,54.639) 132.936,55.02 135.251,55.02 ccw(c135.251,55.401) 135.52,55.132 138.32,57.931 ccw(c138.05,58.201) 138.431,58.201 138.431,61.173 cw(c138.812,61.173) 138.543,61.443 147.073,69.973 cw(c147.342,69.703) 147.342,70.084 151.555,70.084 ccw(c151.555,70.465) 151.824,70.196 v1(152.113,70.485)
FTDI_MCU_0_RTS: IC1.1.14 R55.2 | length 132.3
  Top Signal w0.152: R55.2@55.028,15.014 55.891,15.014 cw(c55.891,14.633) 56.051,14.979 v1(56.069,14.97) v1(56.069,14.97) ; v2(153.35,72.8) 153.35,74.041 cw(c153.731,74.041) 153.368,74.158 IC1.1.14@153.374,74.176
  Bottom Signal w0.152: v1(56.069,14.97) 56.937,15.838 cw(c57.207,15.569) 57.207,15.95 60.909,15.95 ccw(c60.909,16.331) 61.178,16.062 68.669,23.552 ccw(c68.4,23.822) 68.695,23.581 68.78,23.685 cw(c69.075,23.444) 68.806,23.714 79.633,34.541 ccw(c79.364,34.811) 79.745,34.811 79.745,42.88 cw(c80.126,42.88) 79.856,43.15 89.036,52.329 cw(c89.305,52.059) 89.305,52.44 101.274,52.44 cw(c101.274,52.059) 101.546,52.327 103.79,50.082 ccw(c104.059,50.352) 104.059,49.971 104.815,49.971 ccw(c104.815,50.352) 104.868,49.974 105.023,49.996 cw(c105.077,49.619) 105.027,49.996 cw(c105.079,49.619) 105.08,50 127.2,50 ccw(c127.2,50.381) 127.469,50.112 130.198,52.84 cw(c130.468,52.571) 130.214,52.855 130.617,53.217 ccw(c130.363,53.501) 130.631,53.23 130.669,53.268 132.705,55.304 cw(c132.974,55.034) 132.974,55.415 135.233,55.415 ccw(c135.233,55.796) 135.502,55.527 138.064,58.089 ccw(c137.794,58.358) 138.175,58.358 138.175,61.279 cw(c138.556,61.279) 138.287,61.549 146.967,70.229 cw(c147.236,69.959) 147.236,70.34 150.732,70.34 ccw(c150.732,70.721) 151.002,70.452 v2(153.35,72.8)
FTDI_MCU_0_RX: IC1.1.12 U26.80 | length 80.9
  Top Signal w0.152: v1(104.724,46.482) v1(104.724,50.474) ; v1(112.065,39.243) 112.663,38.645 ccw(c112.932,38.915) 112.932,38.534 U26.80@116.372,38.534 ; v2(150.8,72.7) 150.8,74.018 cw(c151.181,74.018) 150.827,74.159 IC1.1.12@150.834,74.176
  Bottom Signal w0.152: v1(104.724,46.482) 104.724,43.081 ccw(c105.105,43.081) 104.836,42.811 105.55,42.097 cw(c105.28,41.828) 105.661,41.828 105.661,39.853 ccw(c106.042,39.853) 105.773,39.584 106.002,39.354 ccw(c106.272,39.624) 106.272,39.243 v1(112.065,39.243) ; v1(104.724,50.474) 127.317,50.474 ccw(c127.317,50.855) 127.586,50.585 130.101,53.1 132.677,55.668 cw(c132.946,55.398) 132.946,55.779 135.178,55.779 ccw(c135.178,56.16) 135.447,55.89 137.737,58.18 ccw(c137.467,58.449) 137.848,58.449 137.848,61.415 cw(c138.229,61.415) 137.96,61.684 146.831,70.556 cw(c147.101,70.286) 147.101,70.667 147.636,70.667 ccw(c147.636,71.048) 147.683,70.67 147.712,70.674 cw(c147.76,70.296) 147.76,70.677 148.729,70.677 ccw(c148.729,71.058) 148.998,70.788 150.609,72.4 ccw(c150.34,72.669) 150.672,72.482 150.767,72.651 cw(c151.099,72.464) v2(150.8,72.7)
FTDI_MCU_0_TX: IC1.1.11 U26.79 | length 81.6
  Top Signal w0.152: v1(103.927,50.759) 103.927,46.396 ccw(c104.308,46.396) 104.038,46.126 v1(104.14,46.025) ; v1(111.208,38.65) 111.713,38.145 ccw(c111.982,38.415) 111.982,38.034 U26.79@116.372,38.034 ; v2(149.543,72.75) 149.543,74.049 cw(c149.924,74.049) IC1.1.11@149.565,74.177
  Bottom Signal w0.152: v1(103.927,50.759) 103.971,50.803 104.342,50.803 104.516,50.977 104.775,50.977 cw(c104.775,50.596) 104.991,50.91 105.048,50.87 ccw(c105.264,51.184) 105.264,50.803 127.289,50.803 ccw(c127.289,51.184) 127.559,50.915 132.582,55.938 cw(c132.852,55.669) 132.852,56.05 135.065,56.05 ccw(c135.065,56.431) 135.335,56.162 137.465,58.292 ccw(c137.196,58.561) 137.577,58.561 137.577,61.527 cw(c137.958,61.527) 137.688,61.797 146.912,71.02 cw(c147.181,70.75) 147.181,71.131 148.117,71.131 ccw(c148.117,71.512) 148.387,71.243 149.352,72.208 ccw(c149.083,72.478) 149.464,72.478 149.464,72.517 cw(c149.845,72.517) 149.537,72.743 v2(149.543,72.75) ; v1(104.14,46.025) 104.14,44.807 ccw(c104.521,44.807) 104.252,44.537 104.358,44.432 cw(c104.091,44.159) 104.472,44.159 104.472,42.976 ccw(c104.853,42.976) 104.583,42.707 105.258,42.032 cw(c104.99,41.761) 105.371,41.762 105.371,39.609 ccw(c105.752,39.609) 105.482,39.34 106.061,38.762 ccw(c106.33,39.031) 106.33,38.65 v1(111.208,38.65)
FTDI_MCU_1_DTR: IC1.2.13 R34.1 T2.1 | length 101.1
  Top Signal w0.152: v1@5.182,20.345 6.578,20.345 cw(c6.578,19.964) 6.849,20.232 9.859,17.223 cw(c9.591,16.952) 9.972,16.952 9.972,13.643 ccw(c10.353,13.643) 10.083,13.374 12.406,11.051 ccw(c12.675,11.321) 12.675,10.94 13.707,10.94 cw(c13.707,10.559) 13.978,10.827 14.851,9.954 cw(c14.583,9.683) 14.964,9.683 14.964,8.318 ccw(c15.345,8.318) 15.076,8.048 20.387,2.736 ccw(c20.657,3.006) 20.657,2.625 26.934,2.625 ccw(c26.934,3.006) 27.204,2.737 28.809,4.342 cw(c29.079,4.073) 29.079,4.454 31.633,4.454 ccw(c31.633,4.835) 31.902,4.565 32.277,4.94 ccw(c32.007,5.209) 32.388,5.209 32.388,5.407 cw(c32.769,5.407) 32.5,5.677 33.055,6.232 cw(c33.324,5.963) 33.324,6.344 34.493,6.344 ccw(c34.493,6.725) 34.763,6.455 35.336,7.028 35.336,7.226 35.492,7.383 35.547,7.41 cw(c35.717,7.069) 35.717,7.45 T2.1@35.758,7.45 ; v1(7.159,69.587) IC1.2.13@7.159,74.193 ; T2.1@35.832,7.45 36.898,7.45 R34.1@37.148,7.7
  Bottom Signal w0.152: v1@5.182,20.345 3.042,22.485 cw(c3.311,22.755) 2.93,22.755 2.93,65.201 cw(c3.311,65.201) 3.042,65.47 v1(7.159,69.587)
  other v1: 5.182,20.354
FTDI_MCU_1_RTS: IC1.2.14 R9.2 | length 49.7
  Top Signal w0.152: IC1.2.14@8.429,74.193 8.429,69.851 cw(c8.048,69.851) 8.317,69.581 3.294,64.558 ccw(c3.563,64.288) 3.182,64.288 3.182,38.042 ccw(c3.563,38.042) 3.294,37.773 5.573,35.494 ccw(c5.842,35.763) 5.842,35.382 R9.2@13.417,35.382
FTDI_MCU_1_RX: IC1.2.12 U2.48 | length 60.7
  Top Signal w0.152: IC1.2.12@5.889,74.193 5.889,73.142 5.838,73.091 5.838,69.154 cw(c5.457,69.154) 5.727,68.884 2.759,65.917 ccw(c3.028,65.647) 2.647,65.647 2.647,36.605 ccw(c3.028,36.607) 2.759,36.337 3.925,35.171 ccw(c4.195,35.44) 4.195,35.059 9.77,35.059 cw(c9.77,34.678) 10.041,34.947 cw(c9.773,34.676) 10.043,34.945 10.971,34.017 cw(c10.703,33.746) 11.084,33.746 11.084,33.587 ccw(c11.465,33.587) 11.196,33.318 12.995,31.519 ccw(c13.264,31.788) 13.264,31.407 16.869,31.407 cw(c16.869,31.026) 17.14,31.294 cw(c16.871,31.024) 17.142,31.293 17.779,30.655 cw(c17.511,30.384) 17.892,30.384 17.892,28.533 cw(c17.511,28.533) 17.781,28.263 17.543,28.025 U2.48@17.543,26.904
FTDI_MCU_1_TX: IC1.2.11 U2.47 | length 63.5
  Top Signal w0.152: IC1.2.11@4.619,74.193 4.619,68.851 cw(c4.238,68.851) 4.507,68.581 2.385,66.459 ccw(c2.654,66.189) 2.273,66.189 2.273,30.856 ccw(c2.654,30.856) 2.384,30.587 3.818,29.154 ccw(c4.087,29.423) 4.087,29.042 9.158,29.042 cw(c9.158,28.661) 9.428,28.93 cw(c9.16,28.659) 9.43,28.928 12.143,26.215 ccw(c12.412,26.485) 12.412,26.104 15.608,26.104 cw(c15.608,25.723) 15.878,25.991 cw(c15.61,25.72) 15.88,25.989 16.298,25.571 ccw(c16.567,25.841) 16.567,25.46 17.542,25.46 ccw(c17.542,25.841) 17.811,25.571 17.931,25.691 ccw(c17.661,25.96) 18.042,25.96 U2.47@18.042,26.904